# KiCad board output.Panel_R0.5.1_300x300_2layer_step1_Modified.kicad_pcb (continued)
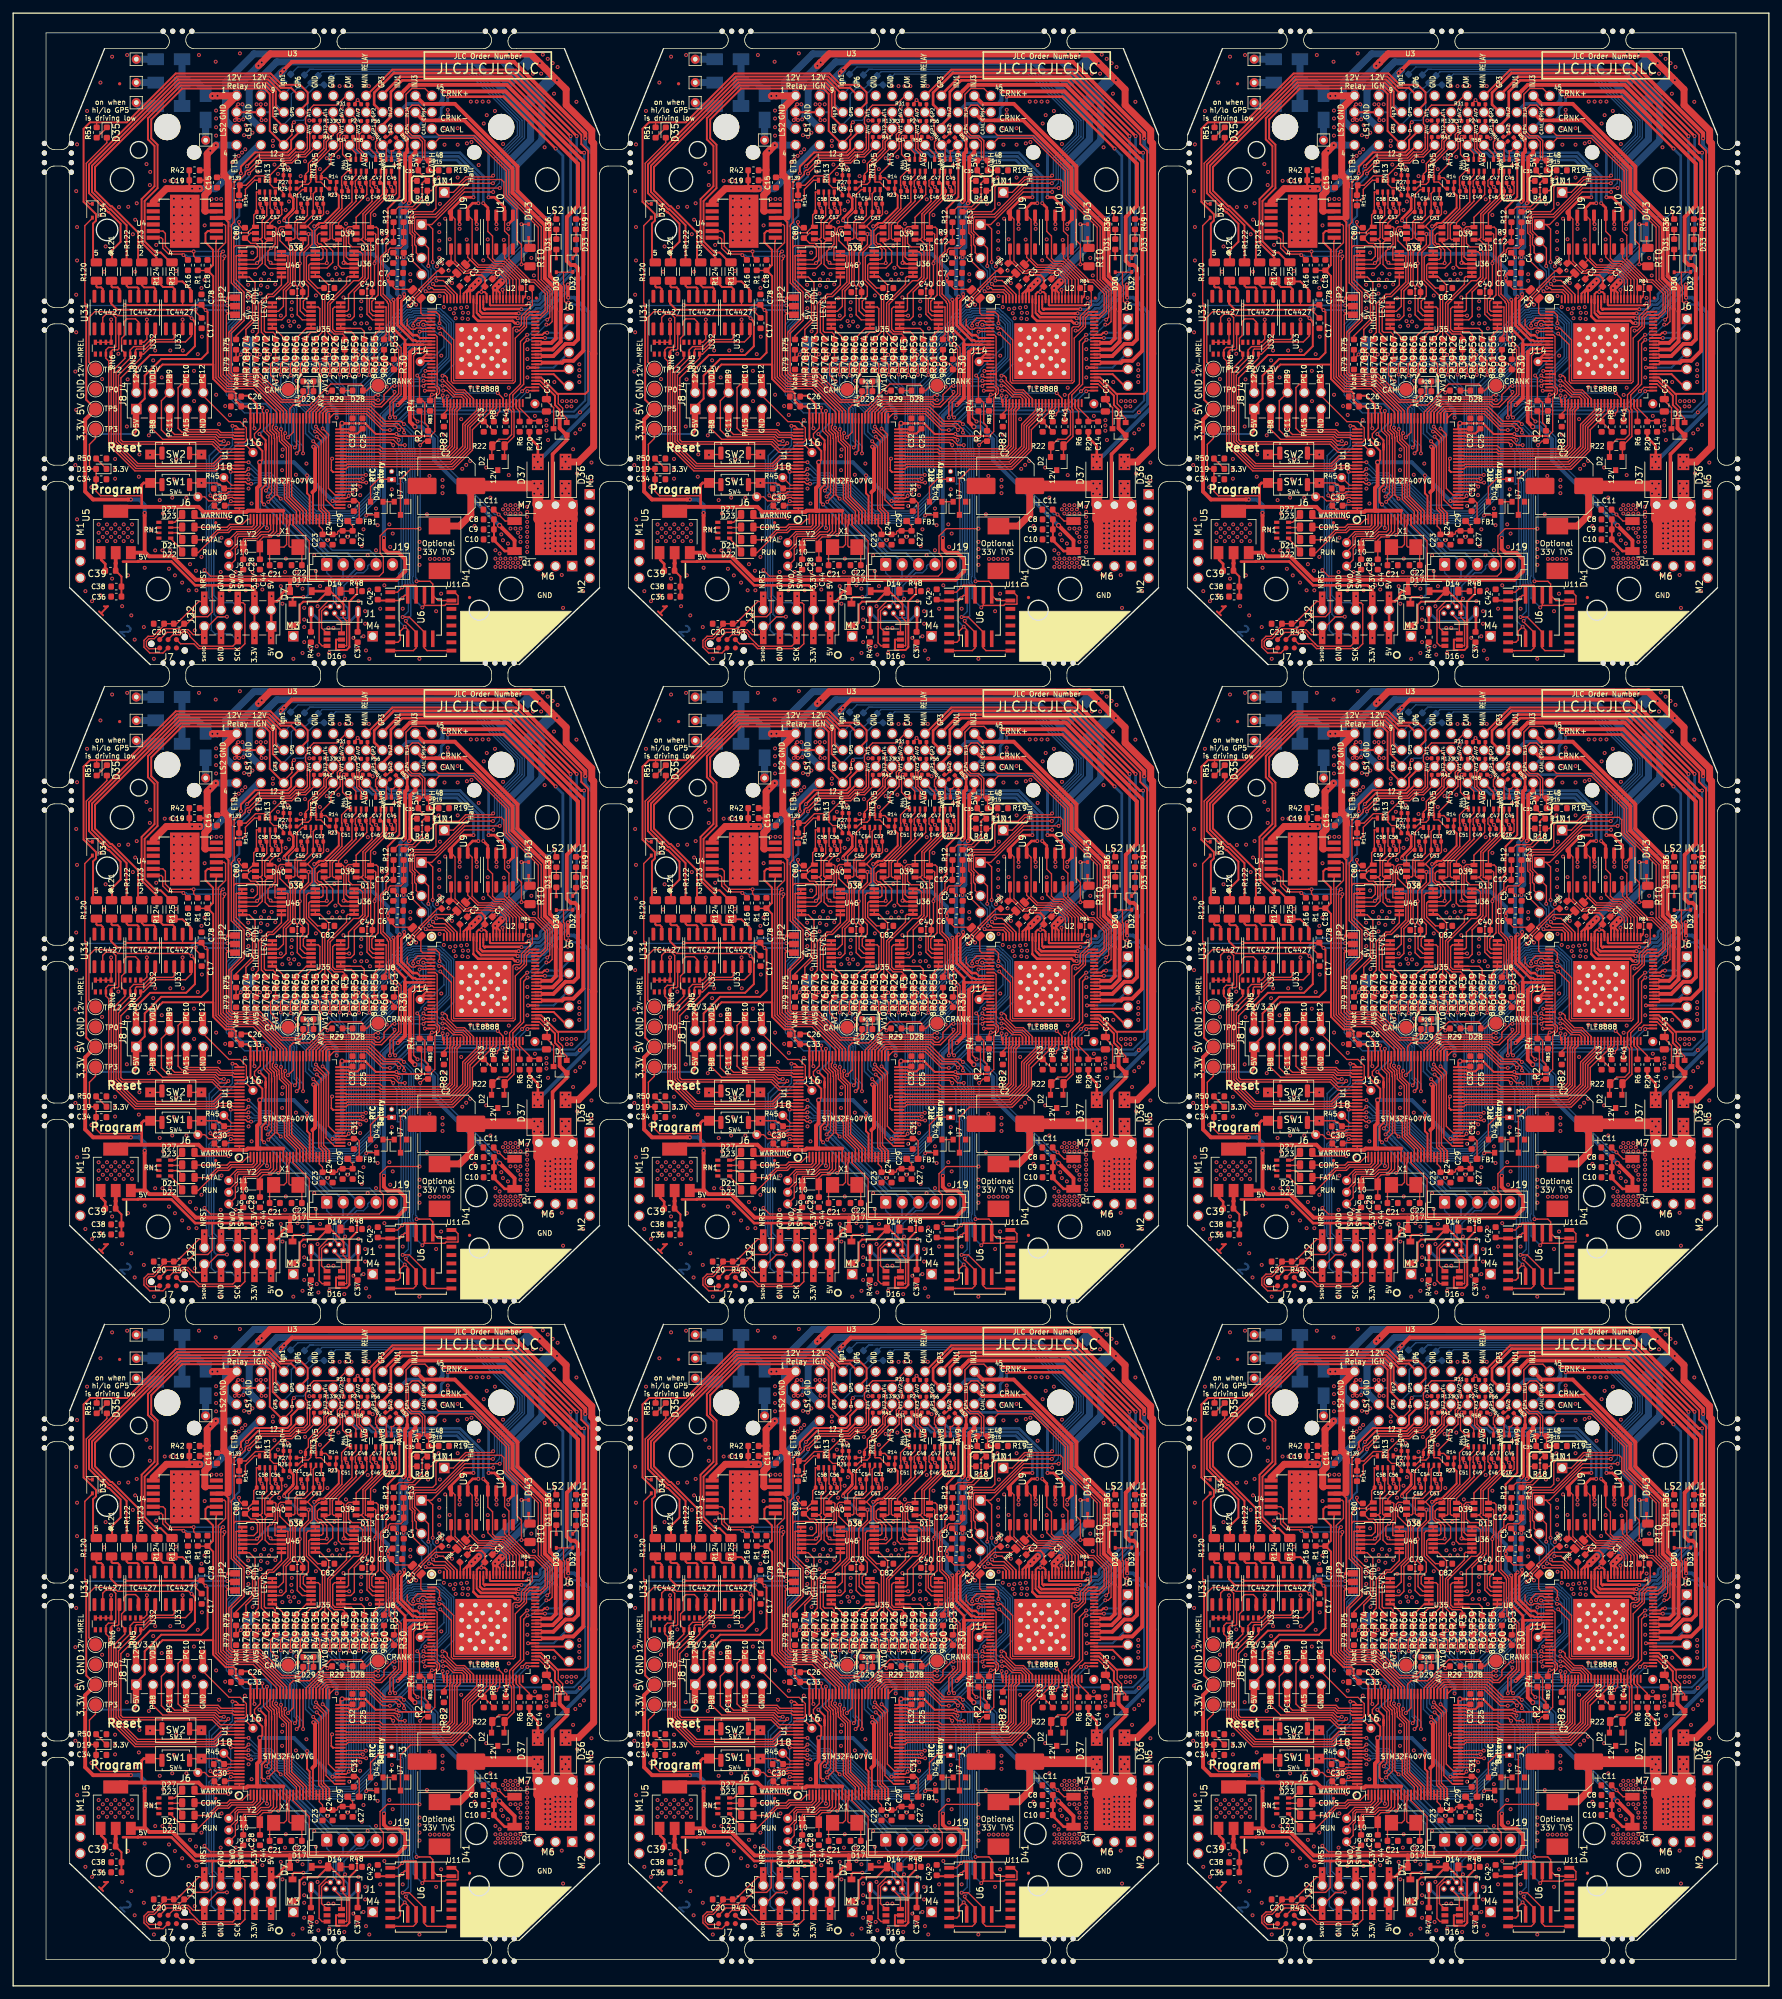
[diagram p0: board, top side]
## Routing (per net, layer and track width the routed paths; a pad name or vN(x,y) marks a point on that pad's centre or on a via; arc(x,y) is an arc through that point) (continued)
/FlashMemory/HOLD: length 340.2
  Top w0.216: U11#2.1 143.45,211.94 v1(144.17,212.67) 144.5,212.99 146.23,212.99 146.28,212.95 U6#2.7 ; v1(143.63,235.11) 143.33,235.41 143.11,235.41 143.04,235.48 136.14,235.48 135.9,235.72 U1#2.48 ; U11#3.1 228.45,211.94 v1(229.17,212.67) 229.5,212.99 231.23,212.99 231.28,212.95 U6#3.7 ; v1(228.63,235.11) 228.33,235.41 228.11,235.41 228.04,235.48 221.14,235.48 220.9,235.72 U1#3.48 ; U11#5.1 228.45,114.94 v1(229.17,115.67) 229.5,115.99 231.23,115.99 231.28,115.95 U6#5.7 ; v1(228.63,138.11) 228.33,138.41 228.11,138.41 228.04,138.48 221.14,138.48 220.9,138.72 U1#5.48 ; U11#6.1 58.45,114.94 v1(59.17,115.67) 59.5,115.99 61.23,115.99 61.28,115.95 U6#4.7 ; v1(58.63,138.11) 58.33,138.41 58.11,138.41 58.04,138.48 51.14,138.48 50.9,138.72 U1#4.48 ; U11#4.1 143.45,114.94 v1(144.17,115.67) 144.5,115.99 146.23,115.99 146.28,115.95 U6#6.7 ; v1(143.63,138.11) 143.33,138.41 143.11,138.41 143.04,138.48 136.14,138.48 135.9,138.72 U1#6.48 ; U6#8.7 231.28,18.95 231.23,18.99 229.5,18.99 v1(229.17,18.67) 228.45,17.94 U11#7.1 ; U1#8.48 220.9,41.72 221.14,41.48 228.04,41.48 228.11,41.41 228.33,41.41 v1(228.63,41.11) ; U11#9.1 58.45,17.94 v1(59.17,18.67) 59.5,18.99 61.23,18.99 61.28,18.95 U6#7.7 ; U1#7.48 50.9,41.72 51.14,41.48 58.04,41.48 58.11,41.41 58.33,41.41 v1(58.63,41.11) ; U11#8.1 143.45,17.94 v1(144.17,18.67) 144.5,18.99 146.23,18.99 146.28,18.95 U6#9.7 ; v1(143.63,41.11) 143.33,41.41 143.11,41.41 143.04,41.48 136.14,41.48 135.9,41.72 U1#9.48 ; v1(58.63,235.11) 58.33,235.41 58.11,235.41 58.04,235.48 51.14,235.48 50.9,235.72 U1.48 ; U6.7 61.28,212.95 61.23,212.99 59.5,212.99 v1(59.17,212.67) 58.45,211.94 U11.1
  Bottom w0.216: v1(143.63,235.11) 143.63,233.62 144.17,233.08 144.17,228.75 144.36,228.56 144.36,214.99 144.17,214.8 v1(144.17,212.67) ; v1(228.63,235.11) 228.63,233.62 229.17,233.08 229.17,228.75 229.36,228.56 229.36,214.99 229.17,214.8 v1(229.17,212.67) ; v1(229.17,115.67) 229.17,117.8 229.36,117.99 229.36,131.56 229.17,131.75 229.17,136.08 228.63,136.62 v1(228.63,138.11) ; v1(58.63,138.11) 58.63,136.62 59.17,136.08 59.17,131.75 59.36,131.56 59.36,117.99 59.17,117.8 v1(59.17,115.67) ; v1(143.63,138.11) 143.63,136.62 144.17,136.08 144.17,131.75 144.36,131.56 144.36,117.99 144.17,117.8 v1(144.17,115.67) ; v1(59.17,18.67) 59.17,20.8 59.36,20.99 59.36,34.56 59.17,34.75 59.17,39.08 58.63,39.62 v1(58.63,41.11) ; v1(144.17,18.67) 144.17,20.8 144.36,20.99 144.36,34.56 144.17,34.75 144.17,39.08 143.63,39.62 v1(143.63,41.11) ; v1(229.17,18.67) 229.17,20.8 229.36,20.99 229.36,34.56 229.17,34.75 229.17,39.08 228.63,39.62 v1(228.63,41.11) ; v1(59.17,212.67) 59.17,214.8 59.36,214.99 59.36,228.56 59.17,228.75 59.17,233.08 58.63,233.62 v1(58.63,235.11)
/GP1: length 742.8
  Top w0.305: 154.98,253.92 155,253.93 U2#2.91 ; 239.98,253.92 240,253.93 U2#3.91 ; 69.98,156.92 70,156.93 U2#4.91 ; 154.98,156.92 155,156.93 U2#6.91 ; U2#5.91 240,156.93 239.98,156.92 ; 154.98,59.92 155,59.93 U2#9.91 ; 239.98,59.92 240,59.93 U2#8.91 ; U2#7.91 70,59.93 69.98,59.92 ; 69.98,253.92 70,253.93 U2.91
  Top w0.406: v1(161.73,252.85) 161.31,252.85 160.96,253.2 155.7,253.2 154.98,253.92 ; 141.06,282.41 141.06,282.86 142.45,284.25 142.45,288.04 144.18,289.77 160.36,289.77 171.36,278.77 v1(171.84,278.77) ; 226.06,282.41 226.06,282.86 227.45,284.25 227.45,288.04 229.18,289.77 245.36,289.77 256.36,278.77 v1(256.84,278.77) ; 239.98,253.92 240.7,253.2 245.96,253.2 246.31,252.85 v1(246.73,252.85) ; v1(76.73,155.85) 76.31,155.85 75.96,156.2 70.7,156.2 69.98,156.92 ; 56.06,185.41 56.06,185.86 57.45,187.25 57.45,191.04 59.18,192.77 75.36,192.77 86.36,181.77 v1(86.84,181.77) ; 141.06,185.41 141.06,185.86 142.45,187.25 142.45,191.04 144.18,192.77 160.36,192.77 171.36,181.77 v1(171.84,181.77) ; 154.98,156.92 155.7,156.2 160.96,156.2 161.31,155.85 v1(161.73,155.85) ; 226.06,185.41 226.06,185.86 227.45,187.25 227.45,191.04 229.18,192.77 245.36,192.77 256.36,181.77 v1(256.84,181.77) ; v1(246.73,155.85) 246.31,155.85 245.96,156.2 240.7,156.2 239.98,156.92 ; v1(171.84,84.77) 171.36,84.77 160.36,95.77 144.18,95.77 142.45,94.04 142.45,90.25 141.06,88.86 141.06,88.41 ; 154.98,59.92 155.7,59.2 160.96,59.2 161.31,58.85 v1(161.73,58.85) ; 226.06,88.41 226.06,88.86 227.45,90.25 227.45,94.04 229.18,95.77 245.36,95.77 256.36,84.77 v1(256.84,84.77) ; v1(246.73,58.85) 246.31,58.85 245.96,59.2 240.7,59.2 239.98,59.92 ; 56.06,88.41 56.06,88.86 57.45,90.25 57.45,94.04 59.18,95.77 75.36,95.77 86.36,84.77 v1(86.84,84.77) ; v1(76.73,58.85) 76.31,58.85 75.96,59.2 70.7,59.2 69.98,59.92 ; v1(76.73,252.85) 76.31,252.85 75.96,253.2 70.7,253.2 69.98,253.92 ; 56.06,282.41 56.06,282.86 57.45,284.25 57.45,288.04 59.18,289.77 75.36,289.77 86.36,278.77 v1(86.84,278.77)
  Bottom w0.406: v1(171.84,278.77) 171.84,260.24 167.52,255.92 167.52,255.61 165.76,253.85 165.45,253.85 164.45,252.85 v1(161.73,252.85) ; v1(256.84,278.77) 256.84,260.24 252.52,255.92 252.52,255.61 250.76,253.85 250.45,253.85 249.45,252.85 v1(246.73,252.85) ; v1(86.84,181.77) 86.84,163.24 82.52,158.92 82.52,158.61 80.76,156.85 80.45,156.85 79.45,155.85 v1(76.73,155.85) ; v1(171.84,181.77) 171.84,163.24 167.52,158.92 167.52,158.61 165.76,156.85 165.45,156.85 164.45,155.85 v1(161.73,155.85) ; v1(256.84,181.77) 256.84,163.24 252.52,158.92 252.52,158.61 250.76,156.85 250.45,156.85 249.45,155.85 v1(246.73,155.85) ; v1(171.84,84.77) 171.84,66.24 167.52,61.92 167.52,61.61 165.76,59.85 165.45,59.85 164.45,58.85 v1(161.73,58.85) ; v1(256.84,84.77) 256.84,66.24 252.52,61.92 252.52,61.61 250.76,59.85 250.45,59.85 249.45,58.85 v1(246.73,58.85) ; v1(86.84,84.77) 86.84,66.24 82.52,61.92 82.52,61.61 80.76,59.85 80.45,59.85 79.45,58.85 v1(76.73,58.85) ; v1(76.73,252.85) 79.45,252.85 80.45,253.85 80.76,253.85 82.52,255.61 82.52,255.92 86.84,260.24 v1(86.84,278.77)
/GP2: length 715.1
  Top w0.305: U2#2.89 156,254.7 ; U2#3.89 241,254.7 ; U2#4.89 71,157.7 ; U2#6.89 156,157.7 ; U2#5.89 241,157.7 ; U2#9.89 156,60.7 ; U2#8.89 241,60.7 ; 71,60.7 U2#7.89 ; U2.89 71,254.7
  Top w0.406: 141.06,284.95 139.9,286.11 139.9,287.9 142.89,290.89 161.11,290.89 v1(170.7,281.3) ; v1(161.87,254.34) 161.45,254.34 161.44,254.33 156.37,254.33 156,254.7 ; 226.06,284.95 224.9,286.11 224.9,287.9 227.89,290.89 246.11,290.89 v1(255.7,281.3) ; 241,254.7 241.37,254.33 246.44,254.33 246.45,254.34 v1(246.87,254.34) ; 56.06,187.95 54.9,189.11 54.9,190.9 57.89,193.89 76.11,193.89 v1(85.7,184.3) ; v1(76.87,157.34) 76.45,157.34 76.44,157.33 71.37,157.33 71,157.7 ; 141.06,187.95 139.9,189.11 139.9,190.9 142.89,193.89 161.11,193.89 v1(170.7,184.3) ; 156,157.7 156.37,157.33 161.44,157.33 161.45,157.34 v1(161.87,157.34) ; v1(255.7,184.3) 246.11,193.89 227.89,193.89 224.9,190.9 224.9,189.11 226.06,187.95 ; 241,157.7 241.37,157.33 246.44,157.33 246.45,157.34 v1(246.87,157.34) ; 141.06,90.95 139.9,92.11 139.9,93.9 142.89,96.89 161.11,96.89 v1(170.7,87.3) ; 156,60.7 156.37,60.33 161.44,60.33 161.45,60.34 v1(161.87,60.34) ; 241,60.7 241.37,60.33 246.44,60.33 246.45,60.34 v1(246.87,60.34) ; 226.06,90.95 224.9,92.11 224.9,93.9 227.89,96.89 246.11,96.89 v1(255.7,87.3) ; v1(76.87,60.34) 76.45,60.34 76.44,60.33 71.37,60.33 71,60.7 ; 56.06,90.95 54.9,92.11 54.9,93.9 57.89,96.89 76.11,96.89 v1(85.7,87.3) ; v1(76.87,254.34) 76.45,254.34 76.44,254.33 71.37,254.33 71,254.7 ; v1(85.7,281.3) 76.11,290.89 57.89,290.89 54.9,287.9 54.9,286.11 56.06,284.95
  Bottom w0.406: v1(161.87,254.34) 161.92,254.29 163.75,254.29 164.57,255.11 165.24,255.11 166.26,256.13 166.26,256.69 170.7,261.13 v1(170.7,281.3) ; v1(246.87,254.34) 246.92,254.29 248.75,254.29 249.57,255.11 250.24,255.11 251.26,256.13 251.26,256.69 255.7,261.13 v1(255.7,281.3) ; v1(76.87,157.34) 76.92,157.29 78.75,157.29 79.57,158.11 80.24,158.11 81.26,159.13 81.26,159.69 85.7,164.13 v1(85.7,184.3) ; v1(161.87,157.34) 161.92,157.29 163.75,157.29 164.57,158.11 165.24,158.11 166.26,159.13 166.26,159.69 170.7,164.13 v1(170.7,184.3) ; v1(246.87,157.34) 246.92,157.29 248.75,157.29 249.57,158.11 250.24,158.11 251.26,159.13 251.26,159.69 255.7,164.13 v1(255.7,184.3) ; v1(170.7,87.3) 170.7,67.13 166.26,62.69 166.26,62.13 165.24,61.11 164.57,61.11 163.75,60.29 161.92,60.29 v1(161.87,60.34) ; v1(246.87,60.34) 246.92,60.29 248.75,60.29 249.57,61.11 250.24,61.11 251.26,62.13 251.26,62.69 255.7,67.13 v1(255.7,87.3) ; v1(76.87,60.34) 76.92,60.29 78.75,60.29 79.57,61.11 80.24,61.11 81.26,62.13 81.26,62.69 85.7,67.13 v1(85.7,87.3) ; v1(85.7,281.3) 85.7,261.13 81.26,256.69 81.26,256.13 80.24,255.11 79.57,255.11 78.75,254.29 76.92,254.29 v1(76.87,254.34)
/GP3: length 642.2
  Top w0.305: 156.5,256.26 156.5,255.1 156.7,254.9 ; 241.7,254.9 241.5,255.1 241.5,256.26 ; 71.5,159.26 71.5,158.1 71.7,157.9 ; 156.7,157.9 156.5,158.1 156.5,159.26 ; 241.7,157.9 241.5,158.1 241.5,159.26 ; 156.7,60.9 156.5,61.1 156.5,62.26 ; 241.5,62.26 241.5,61.1 241.7,60.9 ; 71.7,60.9 71.5,61.1 71.5,62.26 ; 71.5,256.26 71.5,255.1 71.7,254.9
  Top w0.406: 141.06,287.49 143.91,290.33 160.74,290.33 v1(169.78,281.29) ; v1(162.3,254.96) 162.25,255.01 156.81,255.01 156.7,254.9 ; 226.06,287.49 228.91,290.33 245.74,290.33 v1(254.78,281.29) ; 241.7,254.9 241.81,255.01 247.25,255.01 v1(247.3,254.96) ; 56.06,190.49 58.91,193.33 75.74,193.33 v1(84.78,184.29) ; v1(77.3,157.96) 77.25,158.01 71.81,158.01 71.7,157.9 ; 141.06,190.49 143.91,193.33 160.74,193.33 v1(169.78,184.29) ; 156.7,157.9 156.81,158.01 162.25,158.01 v1(162.3,157.96) ; 226.06,190.49 228.91,193.33 245.74,193.33 v1(254.78,184.29) ; v1(247.3,157.96) 247.25,158.01 241.81,158.01 241.7,157.9 ; 156.7,60.9 156.81,61.01 162.25,61.01 v1(162.3,60.96) ; 141.06,93.49 143.91,96.33 160.74,96.33 v1(169.78,87.29) ; 226.06,93.49 228.91,96.33 245.74,96.33 v1(254.78,87.29) ; v1(247.3,60.96) 247.25,61.01 241.81,61.01 241.7,60.9 ; 56.06,93.49 58.91,96.33 75.74,96.33 v1(84.78,87.29) ; v1(77.3,60.96) 77.25,61.01 71.81,61.01 71.7,60.9 ; v1(84.78,281.29) 75.74,290.33 58.91,290.33 56.06,287.49 ; 71.7,254.9 71.81,255.01 77.25,255.01 v1(77.3,254.96)
  Bottom w0.406: v1(169.78,281.29) 169.78,261.02 165.7,256.95 165.7,256.36 165.01,255.67 164.23,255.67 163.53,254.96 v1(162.3,254.96) ; v1(247.3,254.96) 248.53,254.96 249.23,255.67 250.01,255.67 250.7,256.36 250.7,256.95 254.78,261.02 v1(254.78,281.29) ; v1(84.78,184.29) 84.78,164.02 80.7,159.95 80.7,159.36 80.01,158.67 79.23,158.67 78.53,157.96 v1(77.3,157.96) ; v1(162.3,157.96) 163.53,157.96 164.23,158.67 165.01,158.67 165.7,159.36 165.7,159.95 169.78,164.02 v1(169.78,184.29) ; v1(247.3,157.96) 248.53,157.96 249.23,158.67 250.01,158.67 250.7,159.36 250.7,159.95 254.78,164.02 v1(254.78,184.29) ; v1(169.78,87.29) 169.78,67.02 165.7,62.95 165.7,62.36 165.01,61.67 164.23,61.67 163.53,60.96 v1(162.3,60.96) ; v1(247.3,60.96) 248.53,60.96 249.23,61.67 250.01,61.67 250.7,62.36 250.7,62.95 254.78,67.02 v1(254.78,87.29) ; v1(84.78,87.29) 84.78,67.02 80.7,62.95 80.7,62.36 80.01,61.67 79.23,61.67 78.53,60.96 v1(77.3,60.96) ; v1(84.78,281.29) 84.78,261.02 80.7,256.95 80.7,256.36 80.01,255.67 79.23,255.67 78.53,254.96 v1(77.3,254.96)
/GP4: length 552.9
  Top w0.305: U2#2.86 157.5,255.65 157.58,255.57 163.09,255.57 v1(163.4,255.87) ; U2#3.86 242.5,255.65 242.58,255.57 248.09,255.57 v1(248.4,255.87) ; U2#4.86 72.5,158.65 72.58,158.57 78.09,158.57 v1(78.4,158.87) ; U2#6.86 157.5,158.65 157.58,158.57 163.09,158.57 v1(163.4,158.87) ; U2#5.86 242.5,158.65 242.58,158.57 248.09,158.57 v1(248.4,158.87) ; U2#9.86 157.5,61.65 157.58,61.57 163.09,61.57 v1(163.4,61.87) ; U2#8.86 242.5,61.65 242.58,61.57 248.09,61.57 v1(248.4,61.87) ; U2#7.86 72.5,61.65 72.58,61.57 78.09,61.57 v1(78.4,61.87) ; v1(78.4,255.87) 78.09,255.57 72.58,255.57 72.5,255.65 U2.86
  Top w0.406: v1(167.5,279.4) 159.6,287.3 v1(151.1,287.3) ; v1(252.5,279.4) 244.6,287.3 v1(236.1,287.3) ; v1(82.5,182.4) 74.6,190.3 v1(66.1,190.3) ; v1(167.5,182.4) 159.6,190.3 v1(151.1,190.3) ; v1(252.5,182.4) 244.6,190.3 v1(236.1,190.3) ; v1(167.5,85.4) 159.6,93.3 v1(151.1,93.3) ; v1(252.5,85.4) 244.6,93.3 v1(236.1,93.3) ; v1(82.5,85.4) 74.6,93.3 v1(66.1,93.3) ; v1(82.5,279.4) 74.6,287.3 v1(66.1,287.3)
  Bottom w0.406: v1(167.5,279.4) 168.6,278.3 168.6,260.72 165.14,257.27 165.14,256.59 164.78,256.23 163.87,256.23 163.51,255.87 v1(163.4,255.87) ; v1(151.1,287.3) 151.1,286.5 150.1,285.5 150.1,284.3 149.5,283.7 147.44,283.7 U3#2.43 ; v1(252.5,279.4) 253.6,278.3 253.6,260.72 250.14,257.27 250.14,256.59 249.78,256.23 248.87,256.23 248.51,255.87 v1(248.4,255.87) ; v1(236.1,287.3) 236.1,286.5 235.1,285.5 235.1,284.3 234.5,283.7 232.44,283.7 U3#3.43 ; v1(82.5,182.4) 83.6,181.3 83.6,163.72 80.14,160.27 80.14,159.59 79.78,159.23 78.87,159.23 78.51,158.87 v1(78.4,158.87) ; v1(66.1,190.3) 66.1,189.5 65.1,188.5 65.1,187.3 64.5,186.7 62.44,186.7 U3#4.43 ; v1(167.5,182.4) 168.6,181.3 168.6,163.72 165.14,160.27 165.14,159.59 164.78,159.23 163.87,159.23 163.51,158.87 v1(163.4,158.87) ; v1(151.1,190.3) 151.1,189.5 150.1,188.5 150.1,187.3 149.5,186.7 147.44,186.7 U3#6.43 ; v1(248.4,158.87) 248.51,158.87 248.87,159.23 249.78,159.23 250.14,159.59 250.14,160.27 253.6,163.72 253.6,181.3 v1(252.5,182.4) ; U3#5.43 232.44,186.7 234.5,186.7 235.1,187.3 235.1,188.5 236.1,189.5 v1(236.1,190.3) ; v1(163.4,61.87) 163.51,61.87 163.87,62.23 164.78,62.23 165.14,62.59 165.14,63.27 168.6,66.72 168.6,84.3 v1(167.5,85.4) ; U3#9.43 147.44,89.7 149.5,89.7 150.1,90.3 150.1,91.5 151.1,92.5 v1(151.1,93.3) ; v1(248.4,61.87) 248.51,61.87 248.87,62.23 249.78,62.23 250.14,62.59 250.14,63.27 253.6,66.72 253.6,84.3 v1(252.5,85.4) ; U3#7.43 232.44,89.7 234.5,89.7 235.1,90.3 235.1,91.5 236.1,92.5 v1(236.1,93.3) ; v1(66.1,93.3) 66.1,92.5 65.1,91.5 65.1,90.3 64.5,89.7 62.44,89.7 U3#8.43 ; v1(82.5,85.4) 83.6,84.3 83.6,66.72 80.14,63.27 80.14,62.59 79.78,62.23 78.87,62.23 78.51,61.87 v1(78.4,61.87) ; v1(66.1,287.3) 66.1,286.5 65.1,285.5 65.1,284.3 64.5,283.7 62.44,283.7 U3.43 ; v1(82.5,279.4) 83.6,278.3 83.6,260.72 80.14,257.27 80.14,256.59 79.78,256.23 78.87,256.23 78.51,255.87 v1(78.4,255.87)
/GP5: length 580.1
  Top w0.216: R51#2.2 97.7,283.45 ; R51#3.2 182.7,283.45 ; R51#6.2 12.7,186.45 ; R51#4.2 97.7,186.45 ; R51#5.2 182.7,186.45 ; R51#7.2 97.7,89.45 ; R51#8.2 182.7,89.45 ; R51#9.2 12.7,89.45 ; R51.2 12.7,283.45
  Top w0.305: 97.1,262.1 97.15,262.15 97.15,268 97.6,268.45 97.6,269.42 95.71,271.31 95.71,282.41 96.7,283.4 102.3,283.4 109.72,290.82 124.16,290.82 125.88,289.1 128.64,289.1 129.79,287.95 129.79,286.37 128.36,284.95 ; 213.36,284.95 214.79,286.37 214.79,287.95 213.64,289.1 210.88,289.1 209.16,290.82 194.72,290.82 187.3,283.4 181.7,283.4 180.71,282.41 180.71,271.31 182.6,269.42 182.6,268.45 182.15,268 182.15,262.15 182.1,262.1 ; 12.1,165.1 12.15,165.15 12.15,171 12.6,171.45 12.6,172.42 10.71,174.31 10.71,185.41 11.7,186.4 17.3,186.4 24.72,193.82 39.16,193.82 40.88,192.1 43.64,192.1 44.79,190.95 44.79,189.37 43.36,187.95 ; 128.36,187.95 129.79,189.37 129.79,190.95 128.64,192.1 125.88,192.1 124.16,193.82 109.72,193.82 102.3,186.4 96.7,186.4 95.71,185.41 95.71,174.31 97.6,172.42 97.6,171.45 97.15,171 97.15,165.15 97.1,165.1 ; 213.36,187.95 214.79,189.37 214.79,190.95 213.64,192.1 210.88,192.1 209.16,193.82 194.72,193.82 187.3,186.4 181.7,186.4 180.71,185.41 180.71,174.31 182.6,172.42 182.6,171.45 182.15,171 182.15,165.15 182.1,165.1 ; 128.36,90.95 129.79,92.37 129.79,93.95 128.64,95.1 125.88,95.1 124.16,96.82 109.72,96.82 102.3,89.4 96.7,89.4 95.71,88.41 95.71,77.31 97.6,75.42 97.6,74.45 97.15,74 97.15,68.15 97.1,68.1 ; 182.1,68.1 182.15,68.15 182.15,74 182.6,74.45 182.6,75.42 180.71,77.31 180.71,88.41 181.7,89.4 187.3,89.4 194.72,96.82 209.16,96.82 210.88,95.1 213.64,95.1 214.79,93.95 214.79,92.37 213.36,90.95 ; 12.1,68.1 12.15,68.15 12.15,74 12.6,74.45 12.6,75.42 10.71,77.31 10.71,88.41 11.7,89.4 17.3,89.4 24.72,96.82 39.16,96.82 40.88,95.1 43.64,95.1 44.79,93.95 44.79,92.37 43.36,90.95 ; 12.1,262.1 12.15,262.15 12.15,268 12.6,268.45 12.6,269.42 10.71,271.31 10.71,282.41 11.7,283.4 17.3,283.4 24.72,290.82 39.16,290.82 40.88,289.1 43.64,289.1 44.79,287.95 44.79,286.37 43.36,284.95
/GP6: length 509.8
  Top w0.305: 99.4,262.1 R121#2.1 100.05,262.19 100.05,263.95 101.34,265.24 101.34,267.96 99.59,269.71 99.45,269.71 96.54,272.62 96.54,276.99 109.91,290.37 123.97,290.37 125.69,288.64 127.27,288.64 128.37,287.54 ; 184.4,262.1 R121#3.1 185.05,262.19 185.05,263.95 186.34,265.24 186.34,267.96 184.59,269.71 184.45,269.71 181.54,272.62 181.54,276.99 194.91,290.37 208.97,290.37 210.69,288.64 212.27,288.64 213.37,287.54 ; 14.4,165.1 R121#6.1 15.05,165.19 15.05,166.95 16.34,168.24 16.34,170.96 14.59,172.71 14.45,172.71 11.54,175.62 11.54,179.99 24.91,193.37 38.97,193.37 40.69,191.64 42.27,191.64 43.37,190.54 ; 99.4,165.1 R121#5.1 100.05,165.19 100.05,166.95 101.34,168.24 101.34,170.96 99.59,172.71 99.45,172.71 96.54,175.62 96.54,179.99 109.91,193.37 123.97,193.37 125.69,191.64 127.27,191.64 128.37,190.54 ; 213.37,190.54 212.27,191.64 210.69,191.64 208.97,193.37 194.91,193.37 181.54,179.99 181.54,175.62 184.45,172.71 184.59,172.71 186.34,170.96 186.34,168.24 185.05,166.95 185.05,165.19 R121#4.1 184.4,165.1 ; 99.4,68.1 R121#8.1 100.05,68.19 100.05,69.95 101.34,71.24 101.34,73.96 99.59,75.71 99.45,75.71 96.54,78.62 96.54,82.99 109.91,96.37 123.97,96.37 125.69,94.64 127.27,94.64 128.37,93.54 ; 213.37,93.54 212.27,94.64 210.69,94.64 208.97,96.37 194.91,96.37 181.54,82.99 181.54,78.62 184.45,75.71 184.59,75.71 186.34,73.96 186.34,71.24 185.05,69.95 185.05,68.19 R121#7.1 184.4,68.1 ; 14.4,68.1 R121#9.1 15.05,68.19 15.05,69.95 16.34,71.24 16.34,73.96 14.59,75.71 14.45,75.71 11.54,78.62 11.54,82.99 24.91,96.37 38.97,96.37 40.69,94.64 42.27,94.64 43.37,93.54 ; 43.37,287.54 42.27,288.64 40.69,288.64 38.97,290.37 24.91,290.37 11.54,276.99 11.54,272.62 14.45,269.71 14.59,269.71 16.34,267.96 16.34,265.24 15.05,263.95 15.05,262.19 R121.1 14.4,262.1
/H-BRIDGE/DIR: length 303.5
  Top w0.216: 115.69,265.67 115.67,265.69 ; U4#2.1 115.9,265.32 115.84,265.26 115.84,244.53 117.49,242.88 121.52,242.88 125.09,239.31 U1#2.67 ; U1#3.67 210.09,239.31 206.52,242.88 202.49,242.88 200.84,244.53 200.84,265.26 200.9,265.32 U4#3.1 ; 200.69,265.67 200.67,265.69 ; U1#5.67 210.09,142.31 206.52,145.88 202.49,145.88 200.84,147.53 200.84,168.26 200.9,168.32 U4#5.1 ; 200.69,168.67 200.67,168.69 ; 30.69,168.67 30.67,168.69 ; U4#6.1 30.9,168.32 30.84,168.26 30.84,147.53 32.49,145.88 36.52,145.88 40.09,142.31 U1#4.67 ; U1#6.67 125.09,142.31 121.52,145.88 117.49,145.88 115.84,147.53 115.84,168.26 115.9,168.32 U4#4.1 ; 115.69,168.67 115.67,168.69 ; U1#7.67 40.09,45.31 36.52,48.88 32.49,48.88 30.84,50.53 30.84,71.26 30.9,71.32 U4#9.1 ; 30.69,71.67 30.67,71.69 ; U1#9.67 125.09,45.31 121.52,48.88 117.49,48.88 115.84,50.53 115.84,71.26 115.9,71.32 U4#8.1 ; 115.69,71.67 115.67,71.69 ; 200.69,71.67 200.67,71.69 ; U1#8.67 210.09,45.31 206.52,48.88 202.49,48.88 200.84,50.53 200.84,71.26 200.9,71.32 U4#7.1 ; U4.1 30.9,265.32 30.84,265.26 30.84,244.53 32.49,242.88 36.52,242.88 40.09,239.31 U1.67 ; 30.69,265.67 30.67,265.69
/H-BRIDGE/DIS: length 418.6
  Top w0.216: U4#2.11 107.79,266.86 108.15,266.5 108.15,264.54 108.93,263.76 112.02,263.76 112.02,263.76 v1(112.45,263.76) 112.45,263.08 113.08,262.44 ; v1(116.92,263.76) 116.57,263.41 116.57,244.84 117.79,243.62 121.92,243.62 126.09,239.45 U1#2.65 ; U1#3.65 211.09,239.45 206.92,243.62 202.79,243.62 201.57,244.84 201.57,263.41 v1(201.92,263.76) ; 198.08,262.44 197.45,263.08 v1(197.45,263.76) 197.02,263.76 197.02,263.76 193.93,263.76 193.15,264.54 193.15,266.5 192.79,266.86 U4#3.11 ; U1#5.65 211.09,142.45 206.92,146.62 202.79,146.62 201.57,147.84 201.57,166.41 v1(201.92,166.76) ; U4#5.11 192.79,169.86 193.15,169.5 193.15,167.54 193.93,166.76 197.02,166.76 197.02,166.76 v1(197.45,166.76) 197.45,166.08 198.08,165.44 ; U4#6.11 22.79,169.86 23.15,169.5 23.15,167.54 23.93,166.76 27.02,166.76 27.02,166.76 v1(27.45,166.76) 27.45,166.08 28.08,165.44 ; v1(31.92,166.76) 31.57,166.41 31.57,147.84 32.79,146.62 36.92,146.62 41.09,142.45 U1#4.65 ; U1#6.65 126.09,142.45 121.92,146.62 117.79,146.62 116.57,147.84 116.57,166.41 v1(116.92,166.76) ; 113.08,165.44 112.45,166.08 v1(112.45,166.76) 112.02,166.76 112.02,166.76 108.93,166.76 108.15,167.54 108.15,169.5 107.79,169.86 U4#4.11 ; U4#9.11 22.79,72.86 23.15,72.5 23.15,70.54 23.93,69.76 27.02,69.76 27.02,69.76 v1(27.45,69.76) 27.45,69.08 28.08,68.44 ; v1(31.92,69.76) 31.57,69.41 31.57,50.84 32.79,49.62 36.92,49.62 41.09,45.45 U1#7.65 ; U1#9.65 126.09,45.45 121.92,49.62 117.79,49.62 116.57,50.84 116.57,69.41 v1(116.92,69.76) ; 113.08,68.44 112.45,69.08 v1(112.45,69.76) 112.02,69.76 112.02,69.76 108.93,69.76 108.15,70.54 108.15,72.5 107.79,72.86 U4#8.11 ; U1#8.65 211.09,45.45 206.92,49.62 202.79,49.62 201.57,50.84 201.57,69.41 v1(201.92,69.76) ; U4#7.11 192.79,72.86 193.15,72.5 193.15,70.54 193.93,69.76 197.02,69.76 197.02,69.76 v1(197.45,69.76) 197.45,69.08 198.08,68.44 ; 28.08,262.44 27.45,263.08 v1(27.45,263.76) 27.02,263.76 27.02,263.76 23.93,263.76 23.15,264.54 23.15,266.5 22.79,266.86 U4.11 ; v1(31.92,263.76) 31.57,263.41 31.57,244.84 32.79,243.62 36.92,243.62 41.09,239.45 U1.65
  Bottom w0.216: v1(116.92,263.76) v1(112.45,263.76) ; v1(201.92,263.76) v1(197.45,263.76) ; v1(201.92,166.76) v1(197.45,166.76) ; v1(31.92,166.76) v1(27.45,166.76) ; v1(116.92,166.76) v1(112.45,166.76) ; v1(31.92,69.76) v1(27.45,69.76) ; v1(116.92,69.76) v1(112.45,69.76) ; v1(201.92,69.76) v1(197.45,69.76) ; v1(31.92,263.76) v1(27.45,263.76)
/hi-lo/GP5_MCU: length 419.1
  Top w0.216: U1#2.88 118.46,230.72 118.35,230.82 116.3,230.82 115.86,230.39 103.52,230.39 99.54,234.36 99.54,247.09 99.1,247.53 RN6#2.7 99.1,248.77 99.5,249.17 100.47,249.17 100.61,249.31 100.61,253.69 100.1,254.2 99.1,254.2 98.63,253.73 U31#2.2 ; U1#3.88 203.46,230.72 203.35,230.82 201.3,230.82 200.86,230.39 188.52,230.39 184.54,234.36 184.54,247.09 184.1,247.53 RN6#3.7 184.1,248.77 184.5,249.17 185.47,249.17 185.61,249.31 185.61,253.69 185.1,254.2 184.1,254.2 183.63,253.73 U31#3.2 ; U1#4.88 33.46,133.72 33.35,133.82 31.3,133.82 30.86,133.39 18.52,133.39 14.54,137.36 14.54,150.09 14.1,150.53 RN6#6.7 14.1,151.77 14.5,152.17 15.47,152.17 15.61,152.31 15.61,156.69 15.1,157.2 14.1,157.2 13.63,156.73 U31#4.2 ; U1#6.88 118.46,133.72 118.35,133.82 116.3,133.82 115.86,133.39 103.52,133.39 99.54,137.36 99.54,150.09 99.1,150.53 RN6#5.7 99.1,151.77 99.5,152.17 100.47,152.17 100.61,152.31 100.61,156.69 100.1,157.2 99.1,157.2 98.63,156.73 U31#6.2 ; U1#5.88 203.46,133.72 203.35,133.82 201.3,133.82 200.86,133.39 188.52,133.39 184.54,137.36 184.54,150.09 184.1,150.53 RN6#4.7 184.1,151.77 184.5,152.17 185.47,152.17 185.61,152.31 185.61,156.69 185.1,157.2 184.1,157.2 183.63,156.73 U31#5.2 ; U1#9.88 118.46,36.72 118.35,36.82 116.3,36.82 115.86,36.39 103.52,36.39 99.54,40.36 99.54,53.09 99.1,53.53 RN6#9.7 99.1,54.77 99.5,55.17 100.47,55.17 100.61,55.31 100.61,59.69 100.1,60.2 99.1,60.2 98.63,59.73 U31#8.2 ; U31#7.2 183.63,59.73 184.1,60.2 185.1,60.2 185.61,59.69 185.61,55.31 185.47,55.17 184.5,55.17 184.1,54.77 RN6#7.7 184.1,53.53 184.54,53.09 184.54,40.36 188.52,36.39 200.86,36.39 201.3,36.82 203.35,36.82 203.46,36.72 U1#8.88 ; U1#7.88 33.46,36.72 33.35,36.82 31.3,36.82 30.86,36.39 18.52,36.39 14.54,40.36 14.54,53.09 14.1,53.53 RN6#8.7 14.1,54.77 14.5,55.17 15.47,55.17 15.61,55.31 15.61,59.69 15.1,60.2 14.1,60.2 13.63,59.73 U31#9.2 ; U31.2 13.63,253.73 14.1,254.2 15.1,254.2 15.61,253.69 15.61,249.31 15.47,249.17 14.5,249.17 14.1,248.77 RN6.7 14.1,247.53 14.54,247.09 14.54,234.36 18.52,230.39 30.86,230.39 31.3,230.82 33.35,230.82 33.46,230.72 U1.88
/hi-lo/GP6_MCU: length 357.5
  Top w0.216: U1#2.87 116.17,231.22 115.71,230.75 103.67,230.75 99.91,234.51 99.91,247.52 99.9,247.53 RN6#2.8 99.9,248.6 100.1,248.8 100.9,248.8 101.07,248.97 101.07,251.1 101.17,251.2 U31#2.4 ; U1#3.87 201.17,231.22 200.71,230.75 188.67,230.75 184.91,234.51 184.91,247.52 184.9,247.53 RN6#3.8 184.9,248.6 185.1,248.8 185.9,248.8 186.07,248.97 186.07,251.1 186.17,251.2 U31#3.4 ; U1#4.87 31.17,134.22 30.71,133.75 18.67,133.75 14.91,137.51 14.91,150.52 14.9,150.53 RN6#6.8 14.9,151.6 15.1,151.8 15.9,151.8 16.07,151.97 16.07,154.1 16.17,154.2 U31#4.4 ; U1#6.87 116.17,134.22 115.71,133.75 103.67,133.75 99.91,137.51 99.91,150.52 99.9,150.53 RN6#5.8 99.9,151.6 100.1,151.8 100.9,151.8 101.07,151.97 101.07,154.1 101.17,154.2 U31#6.4 ; U1#5.87 201.17,134.22 200.71,133.75 188.67,133.75 184.91,137.51 184.91,150.52 184.9,150.53 RN6#4.8 184.9,151.6 185.1,151.8 185.9,151.8 186.07,151.97 186.07,154.1 186.17,154.2 U31#5.4 ; U1#9.87 116.17,37.22 115.71,36.75 103.67,36.75 99.91,40.51 99.91,53.52 99.9,53.53 RN6#9.8 99.9,54.6 100.1,54.8 100.9,54.8 101.07,54.97 101.07,57.1 101.17,57.2 U31#8.4 ; U1#8.87 201.17,37.22 200.71,36.75 188.67,36.75 184.91,40.51 184.91,53.52 184.9,53.53 RN6#7.8 184.9,54.6 185.1,54.8 185.9,54.8 186.07,54.97 186.07,57.1 186.17,57.2 U31#7.4 ; U1#7.87 31.17,37.22 30.71,36.75 18.67,36.75 14.91,40.51 14.91,53.52 14.9,53.53 RN6#8.8 14.9,54.6 15.1,54.8 15.9,54.8 16.07,54.97 16.07,57.1 16.17,57.2 U31#9.4 ; U1.87 31.17,231.22 30.71,230.75 18.67,230.75 14.91,234.51 14.91,247.52 14.9,247.53 RN6.8 14.9,248.6 15.1,248.8 15.9,248.8 16.07,248.97 16.07,251.1 16.17,251.2 U31.4
/hi-lo/Ign1_MCU: length 401.2
  Top w0.216: 103.87,251.93 103.87,251.5 ; U1#2.85 116.65,232.22 115.56,231.12 103.82,231.12 100.28,234.67 100.28,245.78 102,247.5 RN5#2.5 102,248.3 101.49,248.81 101.49,250.56 101.9,250.97 101.9,253.1 102.3,253.5 103.6,253.5 104.06,253.04 U32#2.2 ; 188.87,251.93 188.87,251.5 ; U32#3.2 189.06,253.04 188.6,253.5 187.3,253.5 186.9,253.1 186.9,250.97 186.49,250.56 186.49,248.81 187,248.3 RN5#3.5 187,247.5 185.28,245.78 185.28,234.67 188.82,231.12 200.56,231.12 201.65,232.22 U1#3.85 ; 18.87,154.93 18.87,154.5 ; U1#4.85 31.65,135.22 30.56,134.12 18.82,134.12 15.28,137.67 15.28,148.78 17,150.5 RN5#6.5 17,151.3 16.49,151.81 16.49,153.56 16.9,153.97 16.9,156.1 17.3,156.5 18.6,156.5 19.06,156.04 U32#6.2 ; 103.87,154.93 103.87,154.5 ; U32#5.2 104.06,156.04 103.6,156.5 102.3,156.5 101.9,156.1 101.9,153.97 101.49,153.56 101.49,151.81 102,151.3 RN5#5.5 102,150.5 100.28,148.78 100.28,137.67 103.82,134.12 115.56,134.12 116.65,135.22 U1#6.85 ; 188.87,154.93 188.87,154.5 ; U32#4.2 189.06,156.04 188.6,156.5 187.3,156.5 186.9,156.1 186.9,153.97 186.49,153.56 186.49,151.81 187,151.3 RN5#4.5 187,150.5 185.28,148.78 185.28,137.67 188.82,134.12 200.56,134.12 201.65,135.22 U1#5.85 ; 103.87,57.93 103.87,57.5 ; U32#8.2 104.06,59.04 103.6,59.5 102.3,59.5 101.9,59.1 101.9,56.97 101.49,56.56 101.49,54.81 102,54.3 RN5#8.5 102,53.5 100.28,51.78 100.28,40.67 103.82,37.12 115.56,37.12 116.65,38.22 U1#9.85 ; 188.87,57.93 188.87,57.5 ; U32#7.2 189.06,59.04 188.6,59.5 187.3,59.5 186.9,59.1 186.9,56.97 186.49,56.56 186.49,54.81 187,54.3 RN5#7.5 187,53.5 185.28,51.78 185.28,40.67 188.82,37.12 200.56,37.12 201.65,38.22 U1#8.85 ; 18.87,57.93 18.87,57.5 ; U1#7.85 31.65,38.22 30.56,37.12 18.82,37.12 15.28,40.67 15.28,51.78 17,53.5 RN5#9.5 17,54.3 16.49,54.81 16.49,56.56 16.9,56.97 16.9,59.1 17.3,59.5 18.6,59.5 19.06,59.04 U32#9.2 ; U32.2 19.06,253.04 18.6,253.5 17.3,253.5 16.9,253.1 16.9,250.97 16.49,250.56 16.49,248.81 17,248.3 RN5.5 17,247.5 15.28,245.78 15.28,234.67 18.82,231.12 30.56,231.12 31.65,232.22 U1.85 ; 18.87,251.93 18.87,251.5